# KiCad board Lotus58_Glow_125.kicad_pcb (continued)
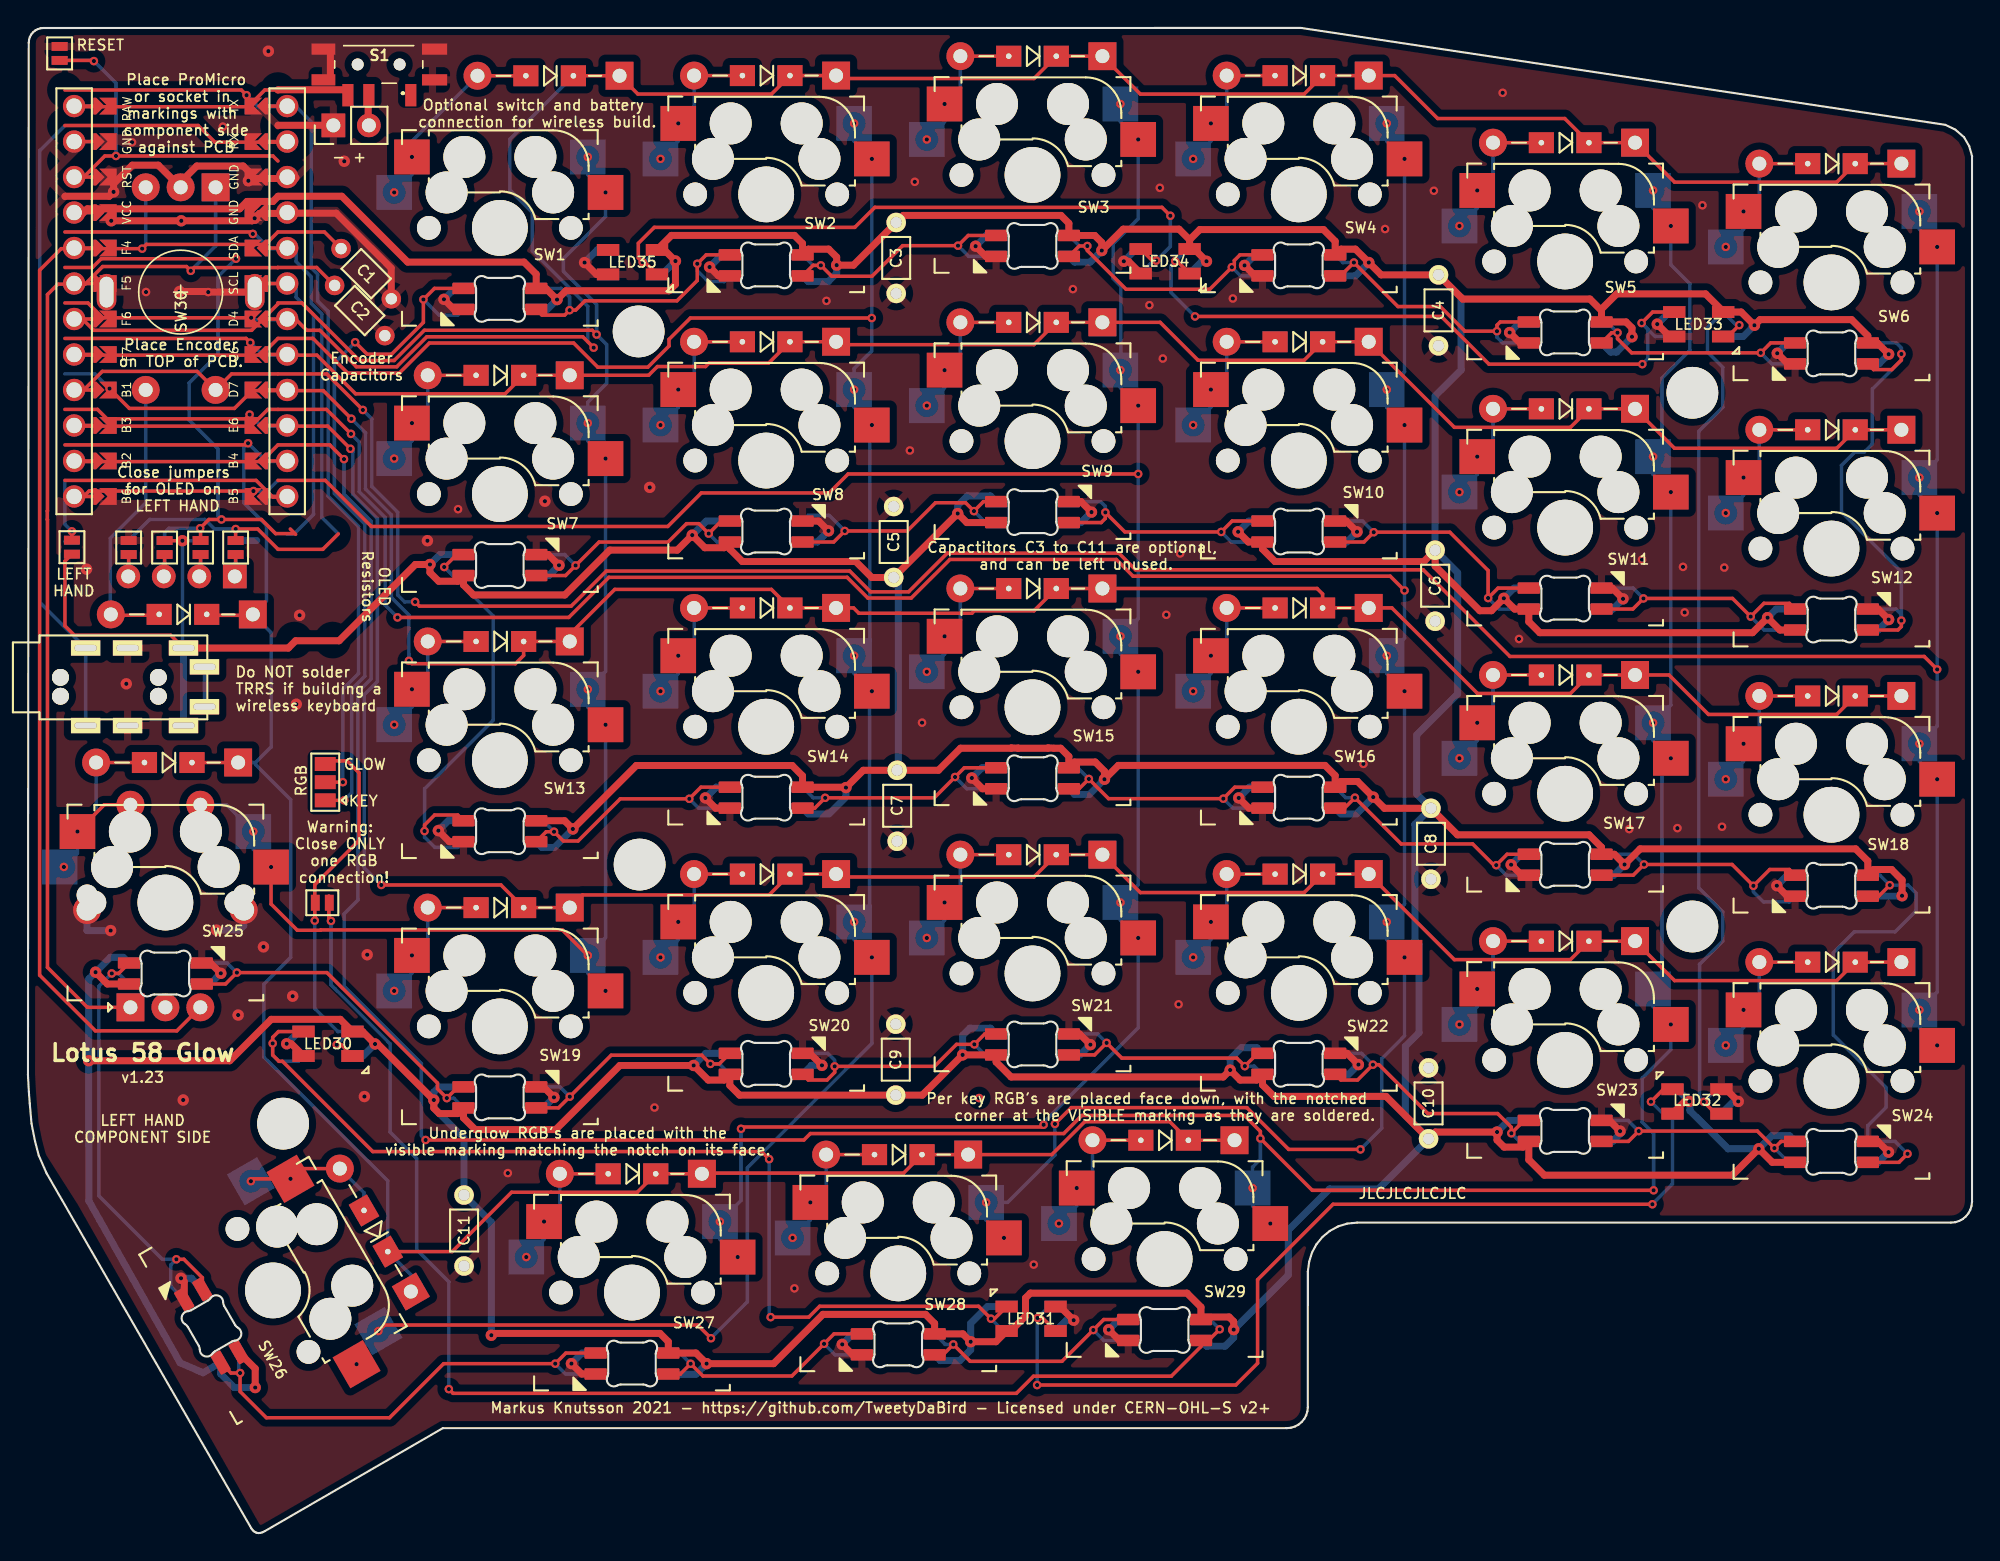
[diagram p0: board, top side]
## Routing (per net, layer and track width the routed paths; a pad name or vN(x,y) marks a point on that pad's centre or on a via; arc(x,y) is an arc through that point) (continued)
Net-(LED27-Pad2): length 20.7
  Top w0.25: LED27.2 45.81,11.37 46.66,11.37 v1(47.4,12.12) 48.28,11.24 54.64,11.24 v1(56.95,13.54) 57.66,14.26 LED28.4
  Bottom w0.25: v1(56.95,13.54) 57.73,12.76 LED28.4 ; LED27.2 46.64,12.88 v1(47.4,12.12)
Net-(LED28-Pad2): length 20.4
  Top w0.25: LED28.2 65.44,12.76 v1(66.19,13.5) 67.4,12.29 73.97,12.29 v1(76.2,14.53) 76.95,15.28 LED29.4
  Bottom w0.25: v1(66.19,13.5) 65.61,13.5 LED28.2 ; LED29.4 76.96,13.78 v1(76.2,14.53)
Net-(LED30-Pad1): length 76.4
  Top w0.25: LED30.1 17.92,35.89 17.5,35.48 v1(17.5,35.05) 17.5,34.21 17.96,33.76 18.21,33.76 24.67,27.3 52.48,27.3 v1(53.02,26.76) ; LED31.3 69.14,15.34 v1(68.89,15.34) 68,16.23 56.63,16.23 55.85,15.45 v1(53.12,15.45)
  Bottom w0.25: v1(53.12,15.45) 53.02,15.56 v1(53.02,26.76) ; v1(68.89,15.34) 69.77,14.46 LED31.3 ; LED30.1 19.33,33.76 17.96,33.76 17.5,34.21 v1(17.5,35.05)
Net-(LED31-Pad1): length 71.9
  Top w0.25: v1(72.19,10.59) 86.39,10.59 87.96,12.15 87.96,18.13 93.36,23.53 v1(116.2,23.53) ; v1(116.09,30.87) 116.99,31.77 LED32.3 ; v1(72.22,15.39) 72.57,15.39 LED31.1
  Bottom w0.25: LED31.1 73.03,16.21 v1(72.22,15.39) 72.19,15.36 v1(72.19,10.59) ; v1(116.09,30.87) 116.95,30.02 LED32.3 117.63,24.99 116.2,23.55 v1(116.2,23.53)
Net-(LED32-Pad1): length 66
  Top w0.25: LED33.3 121.59,85.64 v1(122.41,86.46) ; LED32.1 120.72,30.02 v1(119.88,30.86)
  Bottom w0.25: v1(122.41,86.46) 122.19,86.46 LED33.3 120.13,86.27 120.13,84.54 121.23,83.44 121.23,80.57 119.52,78.85 119.52,46.17 121.23,44.46 121.23,42.37 119.57,40.71 119.57,31.17 v1(119.88,30.86) 120.78,31.77 LED32.1
Net-(LED33-Pad1): length 49.7
  Top w0.25: v1(115.48,83.66) 104.51,83.66 101.09,87.08 v1(83.48,87.08) ; LED33.1 116.21,87.39 v1(115.43,86.61) ; v1(82.06,91.03) 82.22,91.03 LED34.3
  Bottom w0.25: v1(83.48,87.08) 81.76,88.8 81.76,90.72 v1(82.06,91.03) 82.94,91.9 LED34.3 ; v1(115.48,83.66) 115.87,84.06 115.87,86.16 v1(115.43,86.61) 116.39,85.64 LED33.1
Net-(LED34-Pad1): length 50.2
  Top w0.25: LED34.1 80.42,91.08 v1(80.7,91.08) ; v1(81.72,94.28) 81.11,94.89 60.57,94.89 59.14,93.45 44.8,93.45 43.66,92.31 43.66,91.27 v1(43.96,90.96) 44.12,90.96 LED35.3
  Bottom w0.25: LED34.1 80.52,91.08 v1(80.7,91.08) 81.72,92.09 v1(81.72,94.28) ; v1(43.96,90.96) 44.12,90.96 LED35.3
unconnected-(J1-PadS): length 2.9
  Bottom w0.25: J1.S J1.S

## Copper pours and planes (outline as drawn; the poured copper is in the pictures)
GND on Top: -7.88,108.6 138.99,107.93 139.25,22.41 93.26,22.41 93.26,7.41 31.26,7.41 17.26,-0.59 3.56,23.53 -7.62,41.08
GND on Bottom: -8.1,108.21 139.12,108.31 139.25,22.41 93.26,22.41 93.26,7.41 31.26,7.41 17.26,-0.59 3.43,23.53 -7.96,40.31

## Text on the board
B.Silkscreen: RIGHT / HAND | D30 is optional, / and only needed / if the encoder is / placed in the top / position. | Markus Knutsson 2021 - https://github.com/TweetyDaBird - Licensed under CERN-OHL-S v2+ | Place stripe of diode at the / line/side where arrow is pointing. | v1.23 | RIGHT HAND / COMPONENT SIDE | Place ProMicro / or socket in / markings with / component side / against PCB | Close jumpers / for OLED on / RIGHT HAND | Place Encoder / on TOP of PCB. | OFF  -  ON | Diodes and RGB's MUST be placed / in the correct direction to function. | Resistors and capacitors can / be placed in either direction. | The COMPONENT side of the PCB / is the BACK side for that hand. | - + | Lotus 58 Glow
F.Silkscreen: Do NOT solder / TRRS if building a / wireless keyboard | Markus Knutsson 2021 - https://github.com/TweetyDaBird - Licensed under CERN-OHL-S v2+ | LEFT / HAND | v1.23 | LEFT HAND / COMPONENT SIDE | Close jumpers / for OLED on / LEFT HAND | Place Encoder / on TOP of PCB. | Place ProMicro / or socket in / markings with / component side / against PCB | Warning: / Close ONLY / one RGB / connection! | - + | Encoder / Capacitors | KEY | GLOW | Optional switch and battery / connection for wireless build. | Underglow RGB's are placed with the / visible marking matching the notch on its face. | Capactitors C3 to C11 are optional, / and can be left unused. | JLCJLCJLCJLC | Per key RGB's are placed face down, with the notched / corner at the VISIBLE marking as they are soldered. | OLED / Resistors | Lotus 58 Glow
